# Altium PCB MB1166.PcbDoc (part 3 of 39)
Units mil, origin at the board's own origin, x right, y up, seen from the top; angles counter-clockwise.
Board outline 5000.99 x 2352.96 mil, 4 copper layers (TOP, L2_GND, L3_VCC, BOTTOM), stack 25.9 mil thick; 35 components, 24 nets, 166 pads, 143 vias.
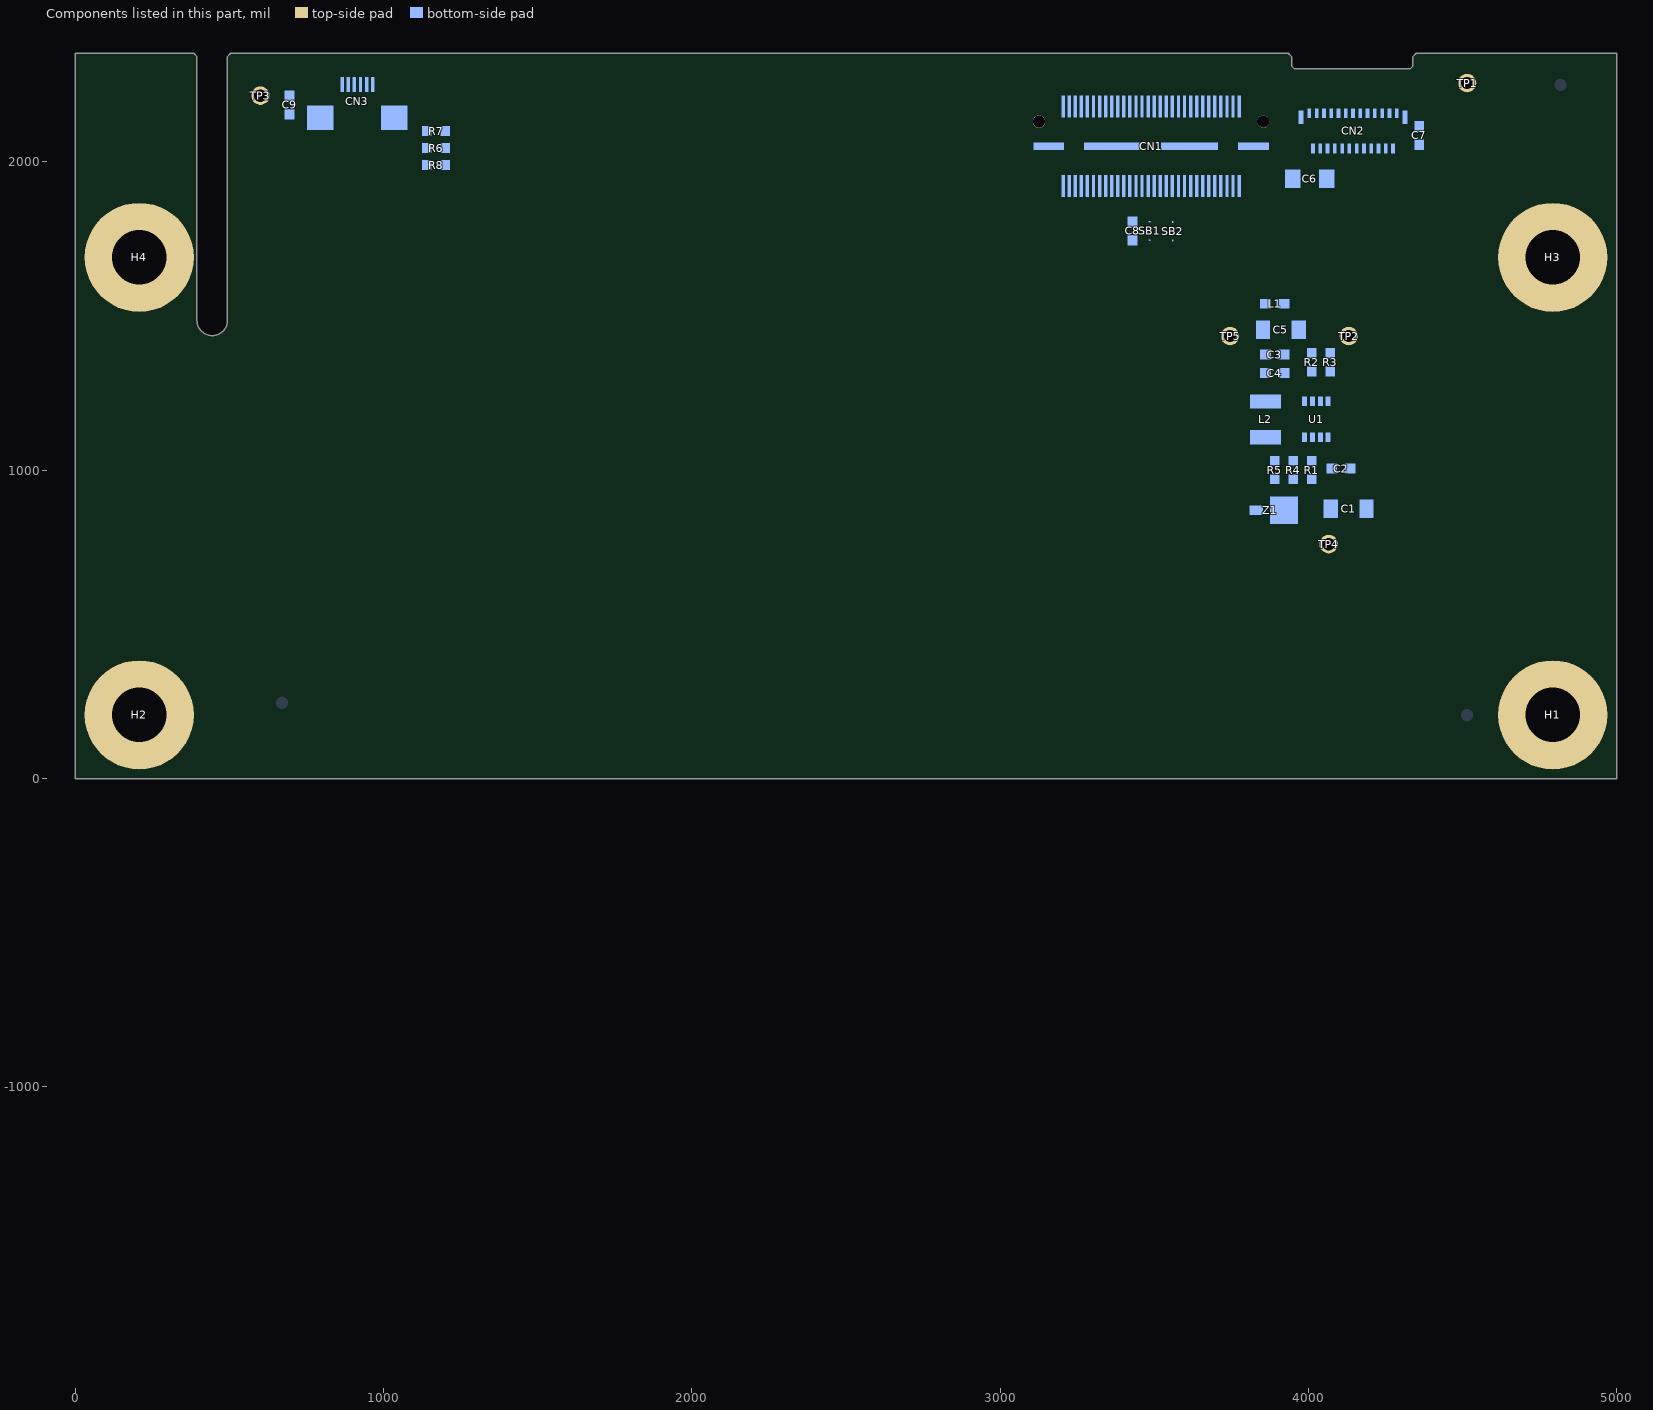
[diagram p5: the components of this part, seen from the top]

## Via types
v1: diameter 24, hole 12, TOP to BOTTOM, 143 vias

## Nets (pads, with @x,y where several pads share a name; then routed paths per layer and width w, separated by ;. In a path a pad name is that pad's centre, name@x,y a point inside that pad or via, vN(x,y) a via of type N, cw(c..) or ccw(c..) an arc to the next point about the centre after c; other vN are vias at no path point) (continued)
copper on no net: (continued)
  TOP w2: 803.77,-1143.84 803.8,-1143.74 ; 803.8,-1143.74 804,-1143.29 ; 803.8,-1143.74 804,-1143.29 ; 803.85,-1211 803.93,-1211.05 ; 803.85,-1211 803.93,-1211.05 ; 803.93,-1211.05 804.09,-1211.17 ; 803.93,-1211.05 804.09,-1211.17 ; 804,-1143.29 804.04,-1143.19 ; 804,-1143.29 804.04,-1143.19 ; 804.04,-1143.19 804.24,-1142.74 ; 804.04,-1143.19 804.24,-1142.74 ; 804.09,-1211.17 804.18,-1211.22 ; 804.09,-1211.17 804.18,-1211.22 ; 804.18,-1211.22 804.26,-1211.28 ; 804.18,-1211.22 804.26,-1211.28 ; 804.26,-1211.28 804.34,-1211.33 ; 804.26,-1211.28 804.34,-1211.33 ; 804.24,-1142.74 804.28,-1142.64 ; 804.24,-1142.74 804.28,-1142.64 ; 804.28,-1142.64 804.4,-1142.37 ; 804.28,-1142.64 804.4,-1142.37 ; 804.34,-1211.33 804.43,-1211.39 ; 804.34,-1211.33 804.43,-1211.39 ; 804.4,-1142.37 804.45,-1142.28 ; 804.4,-1142.37 804.45,-1142.28 ; 804.43,-1211.39 804.51,-1211.44 ; 804.43,-1211.39 804.51,-1211.44 ; 804.45,-1142.28 804.57,-1142.01 ; 804.45,-1142.28 804.57,-1142.01 ; 804.51,-1211.44 804.59,-1211.5 ; 804.51,-1211.44 804.59,-1211.5 ; 804.57,-1142.01 804.61,-1141.91 ; 804.57,-1142.01 804.61,-1141.91 ; 804.59,-1211.5 804.68,-1211.55 ; 804.59,-1211.5 804.68,-1211.55 ; 804.61,-1141.91 804.69,-1141.73 ; 804.61,-1141.91 804.69,-1141.73 ; 804.68,-1211.55 804.76,-1211.61 ; 804.68,-1211.55 804.76,-1211.61 ; 804.69,-1141.73 804.74,-1141.64 ; 804.69,-1141.73 804.74,-1141.64 ; 804.76,-1211.61 804.85,-1211.66 ; 804.76,-1211.61 804.85,-1211.66 ; 804.74,-1141.64 804.86,-1141.37 ; 804.74,-1141.64 804.86,-1141.37 ; 804.85,-1211.66 804.93,-1211.71 ; 804.85,-1211.66 804.93,-1211.71 ; 804.86,-1141.37 804.91,-1141.28 ; 804.86,-1141.37 804.91,-1141.28 ; 804.91,-1141.28 805.03,-1141.01 ; 804.91,-1141.28 805.03,-1141.01 ; 804.93,-1211.71 805.02,-1211.77 ; 804.93,-1211.71 805.02,-1211.77 ; 805.02,-1211.77 805.1,-1211.82 ; 805.02,-1211.77 805.1,-1211.82 ; 805.03,-1141.01 805.08,-1140.92 ; 805.03,-1141.01 805.08,-1140.92 ; 805.1,-1211.82 805.19,-1211.87 ; 805.1,-1211.82 805.19,-1211.87 ; 805.08,-1140.92 805.16,-1140.74 ; 805.08,-1140.92 805.16,-1140.74 ; 805.16,-1140.74 805.21,-1140.65 ; 805.16,-1140.74 805.21,-1140.65 ; 805.19,-1211.87 805.27,-1211.92 ; 805.19,-1211.87 805.27,-1211.92 ; 805.21,-1140.65 805.29,-1140.47 ; 805.21,-1140.65 805.29,-1140.47 ; 805.27,-1211.92 805.36,-1211.98 ; 805.27,-1211.92 805.36,-1211.98 ; 805.29,-1140.47 805.34,-1140.38 ; 805.29,-1140.47 805.34,-1140.38 ; 805.36,-1211.98 805.44,-1212.03 ; 805.36,-1211.98 805.44,-1212.03 ; 805.34,-1140.38 805.42,-1140.2 ; 805.34,-1140.38 805.42,-1140.2 ; 805.42,-1140.2 805.47,-1140.11 ; 805.42,-1140.2 805.47,-1140.11 ; 805.44,-1212.03 805.53,-1212.08 ; 805.44,-1212.03 805.53,-1212.08 ; 805.47,-1140.11 805.51,-1140.02 ; 805.47,-1140.11 805.51,-1140.02 ; 805.51,-1140.02 805.56,-1139.93 ; 805.51,-1140.02 805.56,-1139.93 ; 805.53,-1212.08 805.61,-1212.13 ; 805.53,-1212.08 805.61,-1212.13 ; 805.56,-1139.93 805.6,-1139.84 ; 805.56,-1139.93 805.6,-1139.84 ; 805.61,-1212.13 805.79,-1212.23 ; 805.61,-1212.13 805.79,-1212.23 ; 805.6,-1139.84 805.65,-1139.75 ; 805.59,-1139.87 835.48,-1109.98 805.59,-1139.87 ; 805.6,-1139.84 805.65,-1139.75 ; 805.65,-1139.75 805.69,-1139.66 ; 805.65,-1139.75 805.69,-1139.66 ; 805.69,-1139.66 805.74,-1139.57 ; 805.69,-1139.66 805.74,-1139.57 ; 805.74,-1139.57 805.78,-1139.48 ; 805.74,-1139.57 805.78,-1139.48 ; 805.79,-1212.23 805.87,-1212.28 ; 805.79,-1212.23 805.87,-1212.28 ; 805.78,-1139.48 805.83,-1139.39 ; 805.78,-1139.48 805.83,-1139.39 ; 805.87,-1212.28 806.05,-1212.38 ; 805.87,-1212.28 806.05,-1212.38 ; 805.83,-1139.39 805.87,-1139.3 ; 805.83,-1139.39 805.87,-1139.3 ; 805.87,-1139.3 805.92,-1139.21 ; 805.87,-1139.3 805.92,-1139.21 ; 805.92,-1139.21 805.96,-1139.12 ; 805.92,-1139.21 805.96,-1139.12 ; 805.96,-1139.12 806.01,-1139.04 ; 805.96,-1139.12 806.01,-1139.04 ; 806.01,-1139.04 806.05,-1138.95 ; 806.01,-1139.04 806.05,-1138.95 ; 806.05,-1212.38 806.13,-1212.43 ; 806.05,-1212.38 806.13,-1212.43 ; 806.05,-1138.95 806.1,-1138.86 ; 806.05,-1138.95 806.1,-1138.86 ; 806.1,-1138.86 806.14,-1138.77 ; 806.1,-1138.86 806.14,-1138.77 ; 806.13,-1212.43 806.31,-1212.53 ; 806.13,-1212.43 806.31,-1212.53 ; 806.14,-1138.77 806.24,-1138.59 ; 806.14,-1138.77 806.24,-1138.59 ; 806.24,-1138.59 806.28,-1138.5 ; 806.24,-1138.59 806.28,-1138.5 ; 806.31,-1212.53 806.4,-1212.57 ; 806.31,-1212.53 806.4,-1212.57 ; 806.28,-1138.5 806.33,-1138.41 ; 806.28,-1138.5 806.33,-1138.41 ; 806.33,-1138.41 806.38,-1138.33 ; 806.33,-1138.41 806.38,-1138.33 ; 806.4,-1212.57 806.48,-1212.62 ; 806.4,-1212.57 806.48,-1212.62 ; 806.38,-1138.33 806.42,-1138.24 ; 806.38,-1138.33 806.42,-1138.24 ; 806.42,-1138.24 806.52,-1138.06 ; 806.42,-1138.24 806.52,-1138.06 ; 806.48,-1212.62 806.66,-1212.72 ; 806.48,-1212.62 806.66,-1212.72 ; 806.52,-1138.06 806.56,-1137.97 ; 806.52,-1138.06 806.56,-1137.97 ; 806.56,-1137.97 806.61,-1137.88 ; 806.56,-1137.97 806.61,-1137.88 ; 806.61,-1137.88 806.66,-1137.8 ; 806.61,-1137.88 806.66,-1137.8 ; 806.66,-1212.72 806.75,-1212.76 ; 806.66,-1212.72 806.75,-1212.76 ; 806.66,-1137.8 806.7,-1137.71 ; 806.66,-1137.8 806.7,-1137.71 ; 806.7,-1137.71 806.85,-1137.44 ; 806.7,-1137.71 806.85,-1137.44 ; 806.75,-1212.76 806.84,-1212.81 ; 806.77,-1212.77 849.82,-1169.72 ; 806.75,-1212.76 806.84,-1212.81 ; 806.77,-1212.77 849.82,-1169.72 ; 806.84,-1212.81 806.93,-1212.85 ; 806.84,-1212.81 806.93,-1212.85 ; 806.85,-1137.44 806.9,-1137.36 ; 806.85,-1137.44 806.9,-1137.36 ; 806.9,-1137.36 806.94,-1137.27 ; 806.9,-1137.36 806.94,-1137.27 ; 806.93,-1212.85 807.02,-1212.9 ; 806.93,-1212.85 807.02,-1212.9 ; 806.94,-1137.27 807.04,-1137.09 ; 806.94,-1137.27 807.04,-1137.09 ; 807.02,-1212.9 807.11,-1212.94 ; 807.02,-1212.9 807.11,-1212.94 ; 807.04,-1137.09 807.09,-1137.01 ; 807.04,-1137.09 807.09,-1137.01 ; 807.11,-1212.94 807.2,-1212.99 ; 807.11,-1212.94 807.2,-1212.99 ; 807.09,-1137.01 807.14,-1136.92 ; 807.09,-1137.01 807.14,-1136.92 ; 807.14,-1136.92 807.18,-1136.83 ; 807.14,-1136.92 807.18,-1136.83 ; 807.2,-1212.99 807.28,-1213.03 ; 807.2,-1212.99 807.28,-1213.03 ; 807.18,-1136.83 807.23,-1136.74 ; 807.18,-1136.83 807.23,-1136.74 ; 807.23,-1136.74 807.28,-1136.66 ; 807.23,-1136.74 807.28,-1136.66 ; 807.28,-1213.03 807.37,-1213.08 ; 807.28,-1213.03 807.37,-1213.08 ; 807.28,-1136.66 807.43,-1136.39 ; 807.28,-1136.66 807.43,-1136.39 ; 807.37,-1213.08 807.47,-1213.12 ; 807.37,-1213.08 807.47,-1213.12 ; 807.47,-1213.12 807.74,-1213.24 ; 807.47,-1213.12 807.74,-1213.24 ; 807.43,-1136.39 807.48,-1136.31 ; 807.43,-1136.39 807.48,-1136.31 ; 807.48,-1136.31 807.58,-1136.13 ; 807.48,-1136.31 807.58,-1136.13 ; 807.58,-1136.13 807.63,-1136.05 ; 807.58,-1136.13 807.63,-1136.05 ; 807.63,-1136.05 807.73,-1135.87 ; 807.63,-1136.05 807.73,-1135.87 ; 807.74,-1213.24 807.83,-1213.29 ; 807.74,-1213.24 807.83,-1213.29 ; 807.73,-1135.87 807.78,-1135.79 ; 807.73,-1135.87 807.78,-1135.79 ; 807.78,-1135.79 807.88,-1135.61 ; 807.78,-1135.79 807.88,-1135.61 ; 807.83,-1213.29 808.19,-1213.45 ; 807.83,-1213.29 808.19,-1213.45 ; 807.88,-1135.61 807.93,-1135.53 ; 807.88,-1135.61 807.93,-1135.53 ; 807.93,-1135.53 808.03,-1135.35 ; 807.93,-1135.53 808.03,-1135.35 ; 808.03,-1135.35 808.08,-1135.27 ; 808.03,-1135.35 808.08,-1135.27 ; 808.08,-1135.27 808.13,-1135.18 ; 808.08,-1135.27 808.13,-1135.18 ; 808.13,-1135.18 808.18,-1135.1 ; 808.13,-1135.18 808.18,-1135.1 ; 808.19,-1213.45 808.29,-1213.48 ; 808.19,-1213.45 808.29,-1213.48 ; 808.18,-1135.1 808.28,-1134.92 ; 808.18,-1135.1 808.28,-1134.92 ; 808.29,-1213.48 808.56,-1213.6 ; 808.3,-1213.49 849.09,-1172.69 808.3,-1213.49 ; 808.29,-1213.48 808.56,-1213.6 ; 808.28,-1134.92 808.33,-1134.84 ; 808.28,-1134.92 808.33,-1134.84 ; 808.33,-1134.84 808.38,-1134.75 ; 808.33,-1134.84 808.38,-1134.75 ; 808.38,-1134.75 808.43,-1134.67 ; 808.38,-1134.75 808.43,-1134.67 ; 808.43,-1134.67 808.49,-1134.58 ; 808.43,-1134.67 808.49,-1134.58 ; 808.49,-1134.58 808.54,-1134.49 ; 808.49,-1134.58 808.54,-1134.49 ; 808.56,-1213.6 808.66,-1213.64 ; 808.56,-1213.6 808.66,-1213.64 ; 808.54,-1134.49 808.59,-1134.41 ; 808.54,-1134.49 808.59,-1134.41 ; 808.59,-1134.41 808.64,-1134.32 ; 808.59,-1134.41 808.64,-1134.32 ; 808.66,-1213.64 808.75,-1213.67 ; 808.66,-1213.64 808.75,-1213.67 ; 808.64,-1134.32 808.69,-1134.24 ; 808.64,-1134.32 808.69,-1134.24 ; 808.69,-1134.24 808.74,-1134.15 ; 808.69,-1134.24 808.74,-1134.15 ; 808.75,-1213.67 808.84,-1213.71 ; 808.75,-1213.67 808.84,-1213.71 ; 808.74,-1134.15 808.8,-1134.07 ; 808.74,-1134.15 808.8,-1134.07 ; 808.8,-1134.07 808.85,-1133.98 ; 808.8,-1134.07 808.85,-1133.98 ; 808.84,-1213.71 808.94,-1213.74 ; 808.84,-1213.71 808.94,-1213.74 ; 808.85,-1133.98 808.9,-1133.9 ; 808.85,-1133.98 808.9,-1133.9 ; 808.9,-1133.9 809,-1133.72 ; 808.9,-1133.9 809,-1133.72 ; 808.94,-1213.74 809.03,-1213.78 ; 808.94,-1213.74 809.03,-1213.78 ; 809,-1133.72 809.06,-1133.64 ; 809,-1133.72 809.06,-1133.64 ; 809.03,-1213.78 809.12,-1213.81 ; 809.03,-1213.78 809.12,-1213.81 ; 809.06,-1133.64 809.11,-1133.55 ; 809.06,-1133.64 809.11,-1133.55 ; 809.12,-1213.81 809.22,-1213.85 ; 809.12,-1213.81 809.22,-1213.85 ; 809.11,-1133.55 809.16,-1133.47 ; 809.11,-1133.55 809.16,-1133.47 ; 809.16,-1133.47 809.22,-1133.38 ; 809.16,-1133.47 809.22,-1133.38 ; 809.22,-1213.85 809.31,-1213.88 ; 809.22,-1213.85 809.31,-1213.88 ; 809.22,-1133.38 809.32,-1133.22 ; 809.22,-1133.38 809.32,-1133.22 ; 809.31,-1213.88 809.41,-1213.92 ; 809.31,-1213.88 809.41,-1213.92 ; 809.32,-1133.22 809.37,-1133.13 ; 809.32,-1133.22 809.37,-1133.13 ; 809.37,-1133.13 809.43,-1133.05 ; 809.37,-1133.13 809.43,-1133.05 ; 809.41,-1213.92 809.5,-1213.95 ; 809.41,-1213.92 809.5,-1213.95 ; 809.43,-1133.05 809.48,-1132.96 ; 809.43,-1133.05 809.48,-1132.96 ; 809.5,-1213.95 809.6,-1213.98 ; 809.5,-1213.95 809.6,-1213.98 ; 809.48,-1132.96 809.53,-1132.88 ; 809.48,-1132.96 809.53,-1132.88 ; 809.53,-1132.88 809.59,-1132.79 ; 809.53,-1132.88 809.59,-1132.79 ; 809.6,-1213.98 809.69,-1214.02 ; 809.6,-1213.98 809.69,-1214.02 ; 809.59,-1132.79 809.64,-1132.71 ; 809.59,-1132.79 809.64,-1132.71 ; 809.64,-1132.71 809.7,-1132.62 ; 809.64,-1132.71 809.7,-1132.62 ; 809.69,-1214.02 809.78,-1214.05 ; 809.69,-1214.02 809.78,-1214.05 ; 809.7,-1132.62 809.8,-1132.46 ; 809.7,-1132.62 809.8,-1132.46 ; 809.78,-1214.05 809.88,-1214.08 ; 809.78,-1214.05 809.88,-1214.08 ; 809.8,-1132.46 809.86,-1132.37 ; 809.8,-1132.46 809.86,-1132.37 ; 809.86,-1132.37 809.91,-1132.29 ; 809.86,-1132.37 809.91,-1132.29 ; 809.88,-1214.08 809.97,-1214.11 ; 809.88,-1214.08 809.97,-1214.11 ; 809.91,-1132.29 809.97,-1132.2 ; 809.91,-1132.29 809.97,-1132.2 ; 809.97,-1214.11 810.07,-1214.14 ; 809.93,-1214.1 848.54,-1175.49 ; 809.97,-1214.11 810.07,-1214.14 ; 809.93,-1214.1 848.54,-1175.49 ; 809.97,-1132.2 810.07,-1132.04 ; 809.97,-1132.2 810.07,-1132.04 ; 810.07,-1214.14 810.16,-1214.17 ; 810.07,-1214.14 810.16,-1214.17 ; 810.07,-1132.04 810.13,-1131.95 ; 810.07,-1132.04 810.13,-1131.95 ; 810.16,-1214.17 810.26,-1214.2 ; 810.16,-1214.17 810.26,-1214.2 ; 810.13,-1131.95 810.18,-1131.87 ; 810.13,-1131.95 810.18,-1131.87 ; 810.18,-1131.87 810.24,-1131.78 ; 810.18,-1131.87 810.24,-1131.78 ; 810.26,-1214.2 810.35,-1214.23 ; 810.26,-1214.2 810.35,-1214.23 ; 810.24,-1131.78 810.29,-1131.7 ; 810.24,-1131.78 810.29,-1131.7 ; 810.29,-1131.7 810.35,-1131.62 ; 810.29,-1131.7 810.35,-1131.62 ; 810.35,-1214.23 810.55,-1214.29 ; 810.35,-1214.23 810.55,-1214.29 ; 810.35,-1131.62 810.4,-1131.53 ; 810.35,-1131.62 810.4,-1131.53 ; 810.4,-1131.53 810.46,-1131.45 ; 810.4,-1131.53 810.46,-1131.45 ; 810.46,-1131.45 810.51,-1131.37 ; 810.46,-1131.45 810.51,-1131.37 ; 810.51,-1131.37 810.57,-1131.28 ; 810.51,-1131.37 810.57,-1131.28 ; 810.55,-1214.29 810.64,-1214.32 ; 810.55,-1214.29 810.64,-1214.32 ; 810.57,-1131.28 810.62,-1131.2 ; 810.57,-1131.28 810.62,-1131.2 ; 810.62,-1131.2 810.68,-1131.12 ; 810.62,-1131.2 810.68,-1131.12 ; 810.64,-1214.32 810.74,-1214.35 ; 810.64,-1214.32 810.74,-1214.35 ; 810.68,-1131.12 810.74,-1131.03 ; 810.68,-1131.12 810.74,-1131.03 ; 810.74,-1214.35 810.83,-1214.38 ; 810.74,-1214.35 810.83,-1214.38 ; 810.74,-1131.03 810.79,-1130.95 ; 810.74,-1131.03 810.79,-1130.95 ; 810.79,-1130.95 810.85,-1130.87 ; 810.79,-1130.95 810.85,-1130.87 ; 810.83,-1214.38 810.93,-1214.41 ; 810.83,-1214.38 810.93,-1214.41 ; 810.85,-1130.87 810.9,-1130.78 ; 810.85,-1130.87 810.9,-1130.78 ; 810.9,-1130.78 810.96,-1130.7 ; 810.9,-1130.78 810.96,-1130.7 ; 810.93,-1214.41 811.02,-1214.44 ; 810.93,-1214.41 811.02,-1214.44 ; 810.96,-1130.7 811.01,-1130.62 ; 810.96,-1130.7 811.01,-1130.62 ; 811.02,-1214.44 811.12,-1214.47 ; 811.02,-1214.44 811.12,-1214.47 ; 811.01,-1130.62 811.07,-1130.54 ; 811.01,-1130.62 811.07,-1130.54 ; 811.07,-1130.54 811.13,-1130.45 ; 811.07,-1130.54 811.13,-1130.45 ; 811.12,-1214.47 811.22,-1214.49 ; 811.12,-1214.47 811.22,-1214.49 ; 811.13,-1130.45 811.18,-1130.37 ; 811.13,-1130.45 811.18,-1130.37 ; 811.22,-1214.49 811.31,-1214.52 ; 811.22,-1214.49 811.31,-1214.52 ; 811.18,-1130.37 811.3,-1130.21 ; 811.18,-1130.37 811.3,-1130.21 ; 811.31,-1214.52 811.51,-1214.58 ; 811.31,-1214.52 811.51,-1214.58 ; 811.3,-1130.21 811.35,-1130.12 ; 811.3,-1130.21 811.35,-1130.12 ; 811.35,-1130.12 811.47,-1129.96 ; 811.35,-1130.12 811.47,-1129.96 ; 811.47,-1129.96 811.52,-1129.88 ; 811.47,-1129.96 811.52,-1129.88 ; 811.51,-1214.58 811.6,-1214.6 ; 811.51,-1214.58 811.6,-1214.6 ; 811.52,-1129.88 811.58,-1129.79 ; 811.52,-1129.88 811.58,-1129.79 ; 811.6,-1214.6 811.7,-1214.63 ; 811.6,-1214.6 811.7,-1214.63 ; 811.58,-1129.79 811.7,-1129.63 ; 811.58,-1129.79 811.7,-1129.63 ; 811.7,-1214.63 811.79,-1214.66 ; 811.7,-1214.63 811.79,-1214.66 ; 811.7,-1129.63 811.75,-1129.55 ; 811.7,-1129.63 811.75,-1129.55 ; 811.75,-1129.55 811.87,-1129.39 ; 811.75,-1129.55 811.87,-1129.39 ; 811.79,-1214.66 811.89,-1214.68 ; 811.79,-1214.66 811.89,-1214.68 ; 811.87,-1129.39 811.93,-1129.3 ; 811.87,-1129.39 811.93,-1129.3 ; 811.89,-1214.68 811.99,-1214.71 ; 811.89,-1214.68 811.99,-1214.71 ; 811.93,-1129.3 811.98,-1129.22 ; 811.93,-1129.3 811.98,-1129.22 ; 811.99,-1214.71 812.08,-1214.73 ; 811.99,-1214.71 812.08,-1214.73 ; 811.98,-1129.22 812.22,-1128.9 ; 811.98,-1129.22 812.22,-1128.9 ; 812.08,-1214.73 812.18,-1214.76 ; 812.08,-1214.73 812.18,-1214.76 ; 812.18,-1214.76 812.28,-1214.78 ; 812.18,-1214.76 812.28,-1214.78 ; 812.22,-1128.9 812.27,-1128.82 ; 812.22,-1128.9 812.27,-1128.82 ; 812.27,-1128.82 812.33,-1128.73 ; 812.27,-1128.82 812.33,-1128.73 ; 812.28,-1214.78 812.37,-1214.81 ; 812.28,-1214.78 812.37,-1214.81 ; 812.37,-1214.81 812.47,-1214.83 ; 812.37,-1214.81 812.47,-1214.83 ; 812.33,-1128.73 812.69,-1128.25 ; 812.33,-1128.73 812.69,-1128.25 ; 812.47,-1214.83 812.57,-1214.86 ; 812.47,-1214.83 812.57,-1214.86 ; 812.57,-1214.86 812.66,-1214.88 ; 812.57,-1214.86 812.66,-1214.88 ; 812.66,-1214.88 812.76,-1214.91 ; 812.66,-1214.88 812.76,-1214.91 ; 812.69,-1128.25 812.74,-1128.17 ; 812.69,-1128.25 812.74,-1128.17 ; 812.76,-1214.91 812.86,-1214.93 ; 812.76,-1214.91 812.86,-1214.93 ; 812.74,-1128.17 813.52,-1127.13 ; 812.74,-1128.17 813.52,-1127.13 ; 812.86,-1214.93 812.96,-1214.96 ; 812.86,-1214.93 812.96,-1214.96 ; 812.96,-1214.96 813.05,-1214.98 ; 812.96,-1214.96 813.05,-1214.98 ; 813.05,-1214.98 813.15,-1215 ; 813.05,-1214.98 813.15,-1215 ; 813.15,-1215 813.25,-1215.03 ; 813.15,-1215 813.25,-1215.03 ; 813.25,-1215.03 813.34,-1215.05 ; 813.25,-1215.03 813.34,-1215.05 ; 813.34,-1215.05 813.44,-1215.07 ; 813.34,-1215.05 813.44,-1215.07 ; 813.44,-1215.07 813.54,-1215.1 ; 813.45,-1215.07 847.55,-1180.97 813.45,-1215.07 ; 813.44,-1215.07 813.54,-1215.1 ; 813.52,-1127.13 813.59,-1127.05 ; 813.52,-1127.13 813.59,-1127.05 ; 813.54,-1215.1 813.64,-1215.12 ; 813.54,-1215.1 813.64,-1215.12 ; 813.59,-1127.05 813.95,-1126.57 ; 813.59,-1127.05 813.95,-1126.57 ; 813.64,-1215.12 813.73,-1215.14 ; 813.64,-1215.12 813.73,-1215.14 ; 813.73,-1215.14 813.93,-1215.18 ; 813.73,-1215.14 813.93,-1215.18 ; 813.93,-1215.18 814.03,-1215.21 ; 813.93,-1215.18 814.03,-1215.21 ; 813.95,-1126.57 814.01,-1126.5 ; 813.95,-1126.57 814.01,-1126.5 ; 814.01,-1126.5 814.08,-1126.42 ; 814.01,-1126.5 814.08,-1126.42 ; 814.03,-1215.21 814.12,-1215.23 ; 814.03,-1215.21 814.12,-1215.23 ; 814.12,-1215.23 814.52,-1215.31 ; 814.12,-1215.23 814.52,-1215.31 ; 814.08,-1126.42 814.32,-1126.1 ; 814.08,-1126.42 814.32,-1126.1 ; 814.32,-1126.1 814.39,-1126.03 ; 814.32,-1126.1 814.39,-1126.03 ; 814.39,-1126.03 814.57,-1125.79 ; 814.39,-1126.03 814.57,-1125.79 ; 814.52,-1215.31 814.61,-1215.33 ; 814.52,-1215.31 814.61,-1215.33 ; 814.57,-1125.79 814.64,-1125.71 ; 814.57,-1125.79 814.64,-1125.71 ; 814.61,-1215.33 814.71,-1215.36 ; 814.61,-1215.33 814.71,-1215.36 ; 814.64,-1125.71 814.7,-1125.64 ; 814.64,-1125.71 814.7,-1125.64 ; 814.71,-1215.36 814.91,-1215.4 ; 814.71,-1215.36 814.91,-1215.4 ; 814.7,-1125.64 814.76,-1125.56 ; 814.7,-1125.64 814.76,-1125.56 ; 814.76,-1125.56 814.83,-1125.48 ; 814.76,-1125.56 814.83,-1125.48 ; 814.83,-1125.48 814.89,-1125.4 ; 814.83,-1125.48 814.89,-1125.4 ; 814.91,-1215.4 815,-1215.42 ; 814.91,-1215.4 815,-1215.42 ; 814.89,-1125.4 814.95,-1125.33 ; 814.89,-1125.4 814.95,-1125.33 ; 814.95,-1125.33 815.02,-1125.25 ; 814.95,-1125.33 815.02,-1125.25 ; 815,-1215.42 815.4,-1215.5 ; 815,-1215.42 815.4,-1215.5 ; 815.02,-1125.25 815.14,-1125.09 ; 815.02,-1125.25 815.14,-1125.09 ; 815.14,-1125.09 815.21,-1125.02 ; 815.14,-1125.09 815.21,-1125.02 ; 815.21,-1125.02 815.27,-1124.94 ; 815.21,-1125.02 815.27,-1124.94 ; 815.27,-1124.94 815.34,-1124.86 ; 815.27,-1124.94 815.34,-1124.86 ; 815.34,-1124.86 815.4,-1124.79 ; 815.34,-1124.86 815.4,-1124.79 ; 815.4,-1215.5 815.49,-1215.52 ; 815.4,-1215.5 815.49,-1215.52 ; 815.4,-1124.79 815.47,-1124.71 ; 815.4,-1124.79 815.47,-1124.71 ; 815.47,-1124.71 815.53,-1124.64 ; 815.47,-1124.71 815.53,-1124.64 ; 815.49,-1215.52 815.89,-1215.6 ; 815.49,-1215.52 815.89,-1215.6 ; 815.53,-1124.64 815.59,-1124.56 ; 815.53,-1124.64 815.59,-1124.56 ; 815.59,-1124.56 815.66,-1124.48 ; 815.59,-1124.56 815.66,-1124.48 ; 815.66,-1124.48 815.72,-1124.41 ; 815.66,-1124.48 815.72,-1124.41 ; 815.72,-1124.41 815.79,-1124.33 ; 815.72,-1124.41 815.79,-1124.33 ; 815.79,-1124.33 815.86,-1124.26 ; 815.79,-1124.33 815.86,-1124.26 ; 815.86,-1124.26 815.92,-1124.18 ; 815.86,-1124.26 815.92,-1124.18 ; 815.89,-1215.6 815.98,-1215.62 ; 815.89,-1215.6 815.98,-1215.62 ; 815.92,-1124.18 815.99,-1124.1 ; 815.92,-1124.18 815.99,-1124.1 ; 815.98,-1215.62 816.28,-1215.68 ; 815.98,-1215.62 816.28,-1215.68 ; 815.99,-1124.1 816.05,-1124.03 ; 815.99,-1124.1 816.05,-1124.03 ; 816.05,-1124.03 816.12,-1123.95 ; 816.05,-1124.03 816.12,-1123.95 ; 816.12,-1123.95 816.18,-1123.88 ; 816.12,-1123.95 816.18,-1123.88 ; 816.18,-1123.88 816.25,-1123.8 ; 816.18,-1123.88 816.25,-1123.8 ; 816.25,-1123.8 816.32,-1123.73 ; 816.25,-1123.8 816.32,-1123.73 ; 816.28,-1215.68 816.38,-1215.69 ; 816.28,-1215.68 816.38,-1215.69 ; 816.32,-1123.73 816.38,-1123.65 ; 816.32,-1123.73 816.38,-1123.65 ; 816.38,-1215.69 816.47,-1215.71 ; 816.38,-1215.69 816.47,-1215.71 ; 816.38,-1123.65 816.45,-1123.58 ; 816.38,-1123.65 816.45,-1123.58 ; 816.47,-1215.71 816.97,-1215.81 ; 816.47,-1215.71 816.97,-1215.81 ; 816.45,-1123.58 816.51,-1123.5 ; 816.45,-1123.58 816.51,-1123.5 ; 816.51,-1123.5 816.58,-1123.43 ; 816.51,-1123.5 816.58,-1123.43 ; 816.58,-1123.43 816.65,-1123.35 ; 816.58,-1123.43 816.65,-1123.35 ; 816.65,-1123.35 816.72,-1123.28 ; 816.65,-1123.35 816.72,-1123.28 ; 816.72,-1123.28 816.78,-1123.21 ; 816.72,-1123.28 816.78,-1123.21 ; 816.78,-1123.21 816.85,-1123.13 ; 816.78,-1123.21 816.85,-1123.13 ; 816.85,-1123.13 816.92,-1123.06 ; 816.85,-1123.13 816.92,-1123.06 ; 816.92,-1123.06 816.98,-1122.98 ; 816.92,-1123.06 816.98,-1122.98 ; 816.97,-1215.81 817.06,-1215.83 ; 816.97,-1215.81 817.06,-1215.83 ; 816.98,-1122.98 817.12,-1122.84 ; 816.98,-1122.98 817.12,-1122.84 ; 817.06,-1215.83 817.16,-1215.84 ; 817.06,-1215.83 817.16,-1215.84 ; 817.12,-1122.84 817.19,-1122.76 ; 817.12,-1122.84 817.19,-1122.76 ; 817.16,-1215.84 817.56,-1215.92 ; 817.17,-1215.85 847.62,-1185.39 ; 817.16,-1215.84 817.56,-1215.92 ; 817.17,-1215.85 847.62,-1185.39 ; 817.19,-1122.76 817.26,-1122.69 ; 817.19,-1122.76 817.26,-1122.69 ; 817.26,-1122.69 